# Altium PCB RFID final.PcbDoc (part 3 of 3)
Units mil, origin at the board's own origin, x right, y up, seen from the top; angles counter-clockwise.
Board outline 3215.77 x 4275.01 mil, 6 copper layers (Top Layer, RF_Ground, Power, Gnd, Routing, Bottom_Gnd), stack 29.392 mil thick; 305 components, 201 nets, 969 pads, 176 vias.
Unrouted connection lines stored in the file: 31.
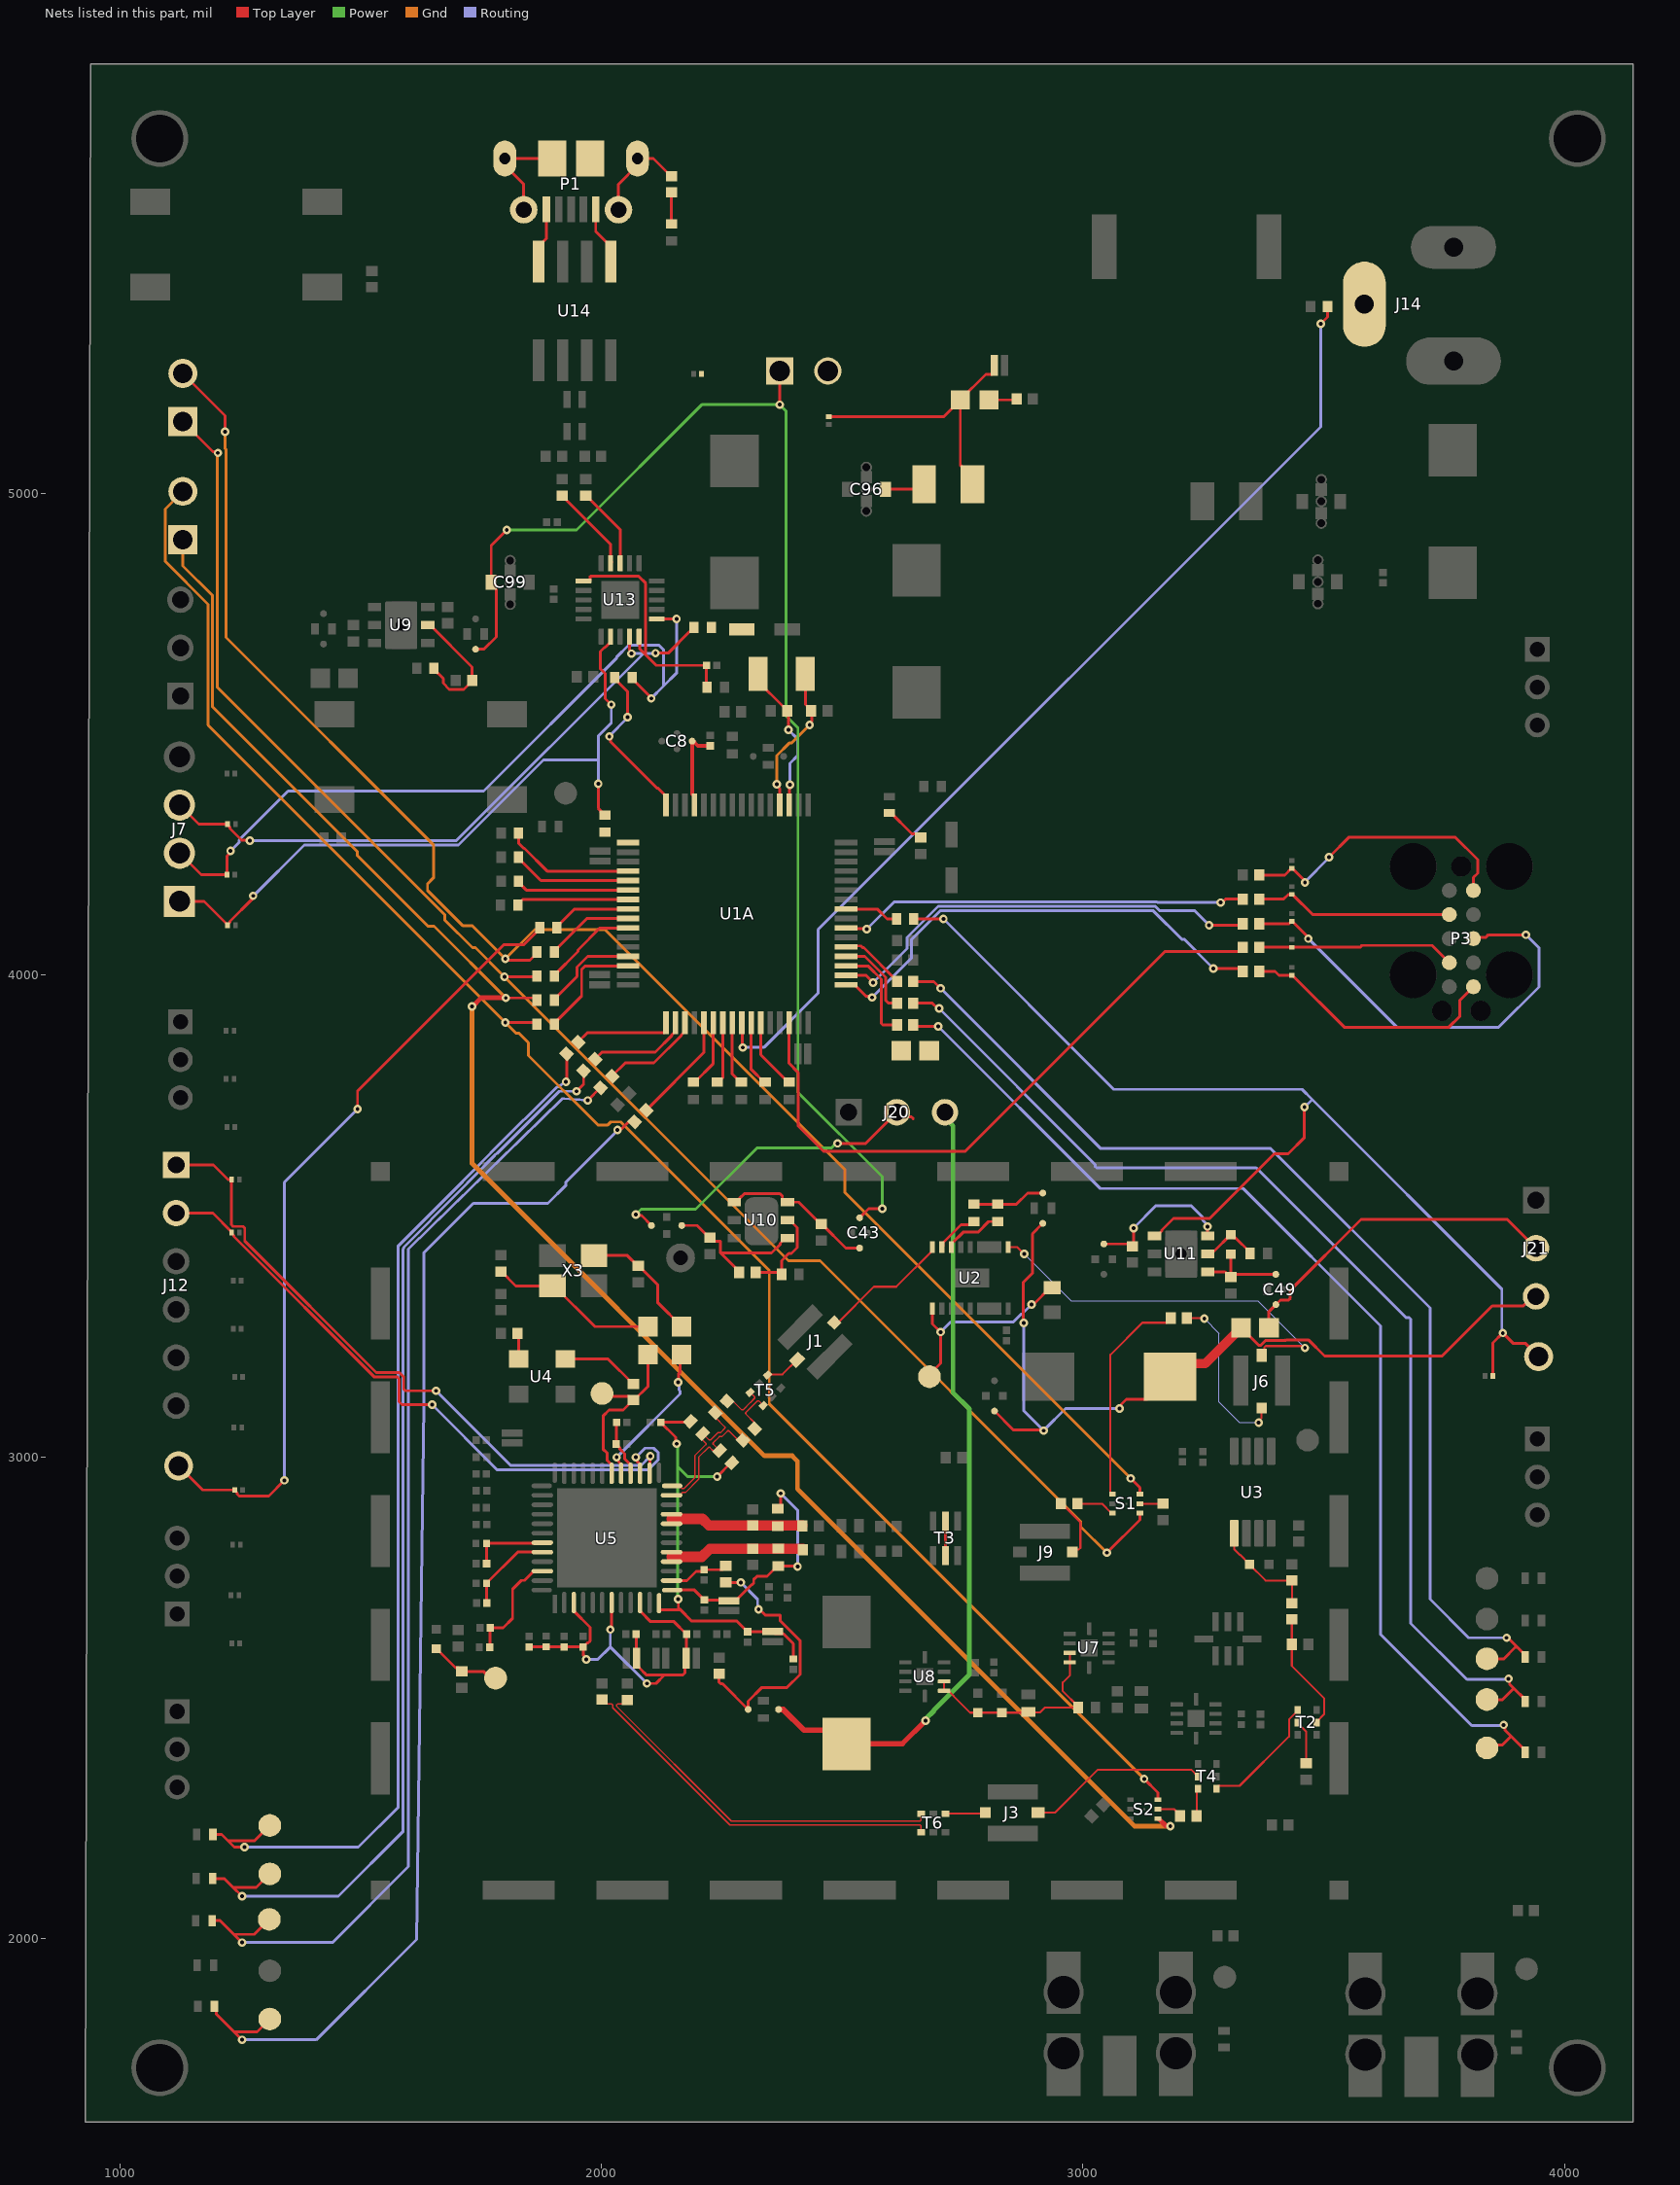
[diagram p7: the nets of this part, all layers, seen from the top]

## Via types
v1: diameter 17.72, hole 7.87, Top Layer to Bottom_Gnd, 176 vias

## Nets (pads, with @x,y where several pads share a name; then routed paths per layer and width w, separated by ;. In a path a pad name is that pad's centre, name@x,y a point inside that pad or via, vN(x,y) a via of type N, cw(c..) or ccw(c..) an arc to the next point about the centre after c; other vN are vias at no path point) (continued)
NetC42_2: C42.2 C43.3 U10.1 U10.6 | length 319.7
  Top Layer w5.91: U10.1@2275.88,3528.8 2280.8,3528.8 2286.71,3534.7 2286.71,3536.75 2296.63,3546.67 2370.29,3546.67 2375.46,3541.5 2375.46,3534.7 2381.37,3528.8 2409.39,3528.8 2454.84,3483.35 C42.2@2456.02,3483.35 2457.2,3483.35 2507.2,3433.35 C43.3@2536.02,3433.35
NetC44_2: C44.2 C45.1 R28.2 U10.4 | length 328.2
  Top Layer w5.91: C45.1@2166.5,3480.25 2198.58,3480.25 2223.82,3455.02 C44.2@2225,3455.02 2232.68,3447.34 2247.19,3447.34 2247.19,3422.98 ; R28.2@2285.99,3383 2285.99,3384.18 2247.19,3422.98 ; U10.4@2386.12,3453.99 2381.2,3453.99 2370.92,3443.71 2370.92,3440.88 2353.02,3422.98 2247.19,3422.98
NetC45_3: C45.3 J20.2 R2.1 | length 711.6
  Top Layer w5.91: v1(2071,3503) 2073.26,3500.74 2083.02,3500.74 C45.3@2103.5,3480.25 ; v1(2489.99,3650.81) 2548.45,3650.81 J20.2@2613.19,3715.55 2622.59,3706.15 2643.4,3706.15 2647.16,3702.39
  Power w5.91: v1(2071,3503) 2082,3514 2195.4,3514 2322.4,3641 2476.98,3641 2486.79,3650.81 v1(2489.99,3650.81)
NetC46_2: C46.2 C47.3 U11.6 | length 315.2
  Top Layer w5.91: C47.3@3043.31,3441.93 3097.72,3441.93 C46.2@3102.36,3437.28 3105,3439.92 v1(3105,3475) ; U11.6@3258.86,3458.66 v1(3258.86,3478.19)
  Routing w5.91: v1(3105,3475) 3151,3521 3225,3521 3248.72,3497.28 3248.72,3491.52 3258.86,3481.39 v1(3258.86,3478.19)
NetC48_2: C48.2 C49.1 R30.2 U11.4 | length 196
  Top Layer w5.91: U11.4@3258.86,3383.86 3295.35,3383.86 3305.91,3373.31 C48.2@3307.09,3373.31 ; R30.2@3307,3420.84 3307,3373.39 C48.2@3307.09,3373.31 ; C49.1@3400.59,3378.94 3312.72,3378.94 C48.2@3307.09,3373.31
NetC49_3: C49.3 J21.2 R3.1 | length 702.8
  Top Layer w5.91: R3.1@3386.22,3267.72 3386.22,3301.57 3409.89,3325.24 3426.89,3325.24 3430.67,3329.02 3430.67,3346.02 3577.65,3493 3881.11,3493 J21.2@3941.04,3433.07
NetC51_2: C51.2 U4.3 | length 163.1
  Top Layer w5.91: U4.3@1924.25,3202.76 2013.43,3202.76 2064.84,3151.34 C51.2@2066.02,3151.34
NetC55_2: C55.2 R33.1 TP2.TP? | length 148.3
  Top Layer w5.91: R33.1@1656.5,2601.42 1656.99,2601.42 1696.59,2561.81 1701.97,2561.81 C55.2@1709.65,2554.13 1754.56,2554.13 1768.34,2540.35 TP2.TP?@1779.53,2540.35
NetC91_1: C91.1 FB1.2 FB5.2 | length 541.4
  Top Layer w5.91: FB5.2@2244,2549 2244,2532.07 2247.46,2528.61 2251.15,2528.61 C91.1@2304.5,2475.25 2304.5,2492.25 2333.06,2520.81 2385.35,2520.81 2412.33,2547.78 2412.33,2618.06 2370.66,2659.72 2370.66,2671.34 2339.39,2671.34 2327.73,2683 v1(2326,2683) ; FB1.2@2258,2738.99 v1(2289,2739)
  Routing w5.91: v1(2289,2739) 2324.09,2703.91 2324.09,2684.91 v1(2326,2683)
NetC96_3: C96.3 FB7.1 | length 84.7
  Top Layer w5.91: C96.3@2589.37,5009.61 2659.41,5009.61 FB7.1@2669.8,5020
NetC97_1: C97.1 R86.2 | length 57.9
  Top Layer w5.91: C97.1@2804.88,5195 2856.13,5195 2858.13,5197 R86.2@2861.99,5197
NetC97_2: C97.2 C98.2 D21.2 FB7.2 P2.2 | length 582
  Top Layer w5.91: D21.2@2472,5160.26 2710.77,5160.26 C97.2@2745.12,5194.61 ; FB7.2@2770.2,5020 2770.2,5034.76 2745.12,5059.84 C97.2@2745.12,5194.61 ; C98.2@2816,5267 2816,5252.83 2811.47,5248.3 2798.02,5248.3 2745.12,5195.39 C97.2@2745.12,5195 C97.2@2745.12,5194.61
NetC100_1: C100.1 R89.2 | length 65
  Top Layer w5.91: R89.2@2145,5560.98 C100.1@2145,5625.98
NetC100_2: C100.2 P1.SH1 P1.SH2 P1.SH3 P1.SH4 P1.SH5 P1.SH6 | length 429.3
  Top Layer w5.91: P1.SH2@1838.15,5590 1838.15,5643.15 1798.78,5682.52 P1.SH6@1798.78,5696.3 P1.SH5@1897.2,5696.3 ; P1.SH1@2035,5590 2035,5643.15 2074.37,5682.52 P1.SH3@2074.37,5696.3 2107.52,5696.3 2143.82,5660 C100.2@2145,5660
NetC104_3: C104.3 R10.2 R20.2 | length 153
  Top Layer w5.91: R20.2@2773.15,3524.33 R10.2@2823.15,3524.33 2861.46,3524.33 2884.81,3547.68 C104.3@2916.5,3547.68
NetC107_1: C107.1 S1.6 | length 80.7
  Top Layer w4.23: C107.1@2988.46,2902.56 3039.37,2902.56 3059.05,2882.87 S1.6@3061.02,2882.87
NetC107_2: C107.2 J9.C | length 129.6
  Top Layer w4.23: C107.2@2954.45,2902.56 2954.45,2901.38 2962.97,2892.86 2965,2892.86 2994.48,2863.38 2994.48,2810.9 2991.19,2807.61 2983.65,2807.61 J9.C@2978.04,2802
NetC108_1: C108.1 J6.C | length 355.3
  Top Layer w4.23: C108.1@3216.02,3288 3251,3288 v1(3252,3287) ; v1(3365,3071) 3365,3074.65 3371.02,3080.67 J6.C@3371.02,3101.3
  Routing w1.85: v1(3252,3287) 3282.59,3256.41 3282.59,3113.6 3325.18,3071 v1(3365,3071)
NetC108_2: C108.2 S1.4 | length 451.6
  Top Layer w4.23: S1.4@3061.02,2922.24 3059.81,2922.24 3057,2925.05 3057,3212 3123.3,3278.3 3173.48,3278.3 3178.14,3282.96 3178.14,3288 C108.2@3182,3288
NetC109_2: C109.2 S1.2 | length 48.2
  Top Layer w4.23: S1.2@3118.11,2902.56 C109.2@3166.34,2902.56
NetC110_1: C110.1 R55.2 X3.3 | length 264.6
  Top Layer w5.91: X3.3@1984.33,3417.83 2053.35,3417.83 2074.84,3396.34 C110.1@2076.02,3396.34 2077.2,3396.34 2116.89,3356.65 2116.89,3319.8 2166.02,3270.67 R55.2@2166.02,3270.28
NetC111_1: C111.1 R54.2 X3.1 | length 352.2
  Top Layer w5.91: C111.1@1791.02,3384.33 1792.2,3384.33 1821.69,3354.84 X3.1@1897.72,3354.84 1901.65,3354.84 1986.22,3270.28 R54.2@2096.02,3270.28
NetC112_1: C112.1 S2.2 | length 52.9
  Top Layer w4.23: S2.2@3155.54,2268 3189.17,2268 3201.98,2255.18 C112.1@3201.98,2254
NetC112_2: C112.2 T4.6 | length 57.4
  Top Layer w4.23: C112.2@3236,2254 3236,2307.9 T4.6@3238.51,2310.41
NetD15_C: D15.C R81.2 | length 90.1
  Top Layer w5.91: D15.C@2597.64,4336.97 2597.64,4339.74 2598.79,4339.77 2644.9,4293.66 2654.96,4293.66 R81.2@2662.64,4285.98
NetD28_1: D28.1 P3.2 R19.1 | length 416.7
  Top Layer w5.91: R19.1@3365.87,4158.15 3416.71,4158.15 3425.98,4167.42 3433.13,4167.42 D28.1@3433.86,4168.15 3434.98,4168.15 3477.13,4126 P3.2@3761,4126
NetD29_1: D29.1 P3.4 R42.1 | length 411.7
  Top Layer w5.91: R42.1@3365.87,4058.15 D29.1@3433.86,4058.15 3575.54,4058.15 3579.44,4062.05 3724.95,4062.05 P3.4@3761,4026
NetD30_1: D30.1 P3.6 R46.1 | length 547.1
  Top Layer w5.91: R46.1@3365.87,4008.15 3399.07,4008.15 3407.2,4000.02 D30.1@3433.86,4000.02 3434.98,4000.02 3542.8,3892.2 3760.04,3892.2 3783.12,3915.28 3783.12,3948.12 P3.6@3811,3976
NetD31_1: D31.1 P3.8 R4.1 | length 925.8
  Top Layer w5.91: R4.1@3365.87,4106.97 3427.82,4106.97 3432.74,4111.89 D31.1@3433.86,4111.89 3434.98,4111.89 3468,4078.87 v1(3468,4076) ; 3826.29,4078.78 3836.78,4078.78 3842,4084 v1(3920,4084)
  Routing w5.91: v1(3468,4076) 3651.8,3892.2 3863.54,3892.2 3947.05,3975.71 3947.05,4056.95 v1(3920,4084)
NetD32_1: D32.1 P3.10 R5.2 | length 600.5
  Top Layer w5.91: R5.2@3365.87,4208.15 3419,4208.15 3432.74,4221.89 D32.1@3433.86,4221.89 3434.98,4221.89 3461,4195.87 v1(3461,4193) ; v1(3511,4245) 3553.05,4287.05 3772.75,4287.05 3819.8,4240 3819.8,4212 3811,4203.21 P3.10@3811,4176
  Routing w5.91: v1(3461,4193) 3461,4194 3511,4244 v1(3511,4245)
NetFB4_2: FB4.2 U4.4 | length 54.7
  Top Layer w5.91: FB4.2@1825.04,3256.34 1827.8,3253.58 U4.4@1827.8,3202.76
NetJ1_A: J1.A T5.1 | length 74.6
  Top Layer w4.23: T5.1@2344.65,3170.09 2345.77,3171.2 2375.89,3171.2 J1.A@2406.22,3201.54
NetJ1_C: J1.C U2.13 | length 272.6
  Top Layer w4.23: J1.C@2483.48,3278.79 2491.41,3278.79 2565.62,3353.01 2612.06,3353.01 2687.28,3428.23 U2.13@2687.28,3435.12
NetJ3_A: J3.A T4.5 | length 375.7
  Top Layer w4.23: J3.A@2906.5,2260.83 2941.83,2260.83 3031,2350 3224.51,2350 3232.55,2341.96 3234.13,2341.96 3238.51,2337.57 T4.5@3238.51,2336
NetJ3_C: J3.C T6.1 | length 83.5
  Top Layer w4.23: T6.1@2714.57,2258.86 2795.28,2258.86 J3.C@2797.24,2260.83
NetJ14_3: J14.3 R32.1 U1A.41 | length 2120.2
  Top Layer w5.91: U1A.41@2291.1,3901.38 2292.05,3900.43 2292.05,3850.95 v1(2293,3850) ; v1(3494,5353) 3508.04,5367.04 R32.1@3508.04,5389
  Routing w5.91: v1(2293,3850) 2337,3850 2450,3963 2450,4095.23 3494,5139.23 v1(3494,5353)
NetJ30_1: J30.1 R91.1 S1.1 | length 3371.7
  Top Layer w5.91: J30.1@1130,5150 1192.74,5087.26 1200.74,5087.26 v1(1203,5085) ; v1(1798,3997) 1864.64,3997 R91.1@1865.87,3998.23 ; v1(3049.67,2800.67) 3118.11,2869.11 S1.1@3118.11,2882.87
  Gnd w5.91: v1(1203,5085) 1201.19,5083.19 1201.19,4598.59 1673.81,4125.96 1673.81,4115.19 1731.78,4057.22 1737.78,4057.22 v1(1798,3997) 2388.1,3406.9 2453.91,3406.9 2995.32,2865.48 2995.32,2855.01 v1(3049.67,2800.67)
NetJ30_2: J30.2 R90.2 S1.3 | length 3453.5
  Top Layer w5.91: J30.2@1130,5250 1218,5162 v1(1218,5129) ; v1(1800,4034) 1803.2,4034 1806.18,4031.02 1850.82,4031.02 R90.2@1865.87,4046.06 ; v1(3099,2955) 3118.11,2935.89 S1.3@3118.11,2922.24
  Gnd w5.91: v1(1218,5129) 1218,5093.77 1219.81,5091.96 1219.81,4701.96 1650.63,4271.14 1650.63,4202.22 1638.38,4189.96 1638.38,4176.04 1711.19,4103.22 1730.78,4103.22 v1(1800,4034) 1860.81,4094.81 2006.96,4094.81 2505.19,3596.59 2505.19,3548.81 v1(3099,2955)
NetJ31_1: J31.1 R92.1 S2.1 | length 3794.7
  Top Layer w5.91: v1(1801,3953) 1861.09,3953 R92.1@1865.87,3948.23
  Top Layer w10: v1(1731,3935) 1731.69,3935 1749.69,3953 v1(1801,3953) ; S2.1@3155.54,2248.32 3157.35,2248.32 3171.69,2233.98 3179.97,2233.98 v1(3181.44,2232.5)
  Gnd w5.91: J31.1@1130,4905 1130,4850.44 1191.78,4788.66 1191.78,4557.22 1492.76,4256.24 1492.76,4248.25 1639.26,4101.75 1652.25,4101.75 v1(1801,3953)
  Gnd w10: v1(1731,3935) 1731,3609 2338.14,3001.86 2395.81,3001.86 2406.86,2990.81 2406.86,2933.14 3107.5,2232.5 v1(3181.44,2232.5)
NetJ31_2: J31.2 R93.1 S2.3 | length 3694.5
  Top Layer w5.91: v1(1800,3902) 1862.09,3902 R93.1@1865.87,3898.23 ; v1(3127,2331) 3155.54,2302.46 S2.3@3155.54,2287.68
  Gnd w5.91: J31.2@1130,5005 1093.43,4968.43 1093.43,4859.62 1182.38,4770.67 1182.38,4519.62 v1(1800,3902) 1822.2,3879.8 1828.2,3879.8 1848.15,3859.85 1848.15,3833.08 1992.04,3689.19 2012.88,3689.19 2019.12,3695.43 2039.96,3695.43 2348.27,3387.13 2348.27,3109.73 v1(3127,2331)
NetL12_2: L12.2 R26.2 R34.2 R35.2 U7.8 U7.9 U8.1 U8.2 | length 455.3
  Top Layer w4.23: U8.2@2711.61,2533.46 U8.1@2711.61,2513.78 2720.28,2513.78 2744,2490.05 2744,2489.89 2765.51,2468.39 R35.2@2781.69,2468.39 2831.54,2468.39 R26.2@2831.69,2468.54 2884.8,2468.54 L12.2@2886.69,2470.43 2888.13,2469 2911,2469 2921,2479 R34.2@2990.01,2479 2990.01,2481.17 2958,2513.17 2958,2531 2972.44,2545.44 U7.9@2972.44,2572.83 U7.8@2972.44,2592.52
NetP1_1: P1.1 U14.1 | length 121.6
  Top Layer w5.91: P1.1@1987.76,5590.98 1987.76,5544.92 2018.9,5513.78 U14.1@2018.9,5482.28
NetP1_5: P1.5 U14.4 | length 115.5
  Top Layer w5.91: U14.4@1868.9,5482.28 1868.9,5513.78 1885.39,5530.28 P1.5@1885.39,5590.98
NetR4_2: R4.2 U1A.50 | length 928.4
  Top Layer w5.91: U1A.50@2507.64,3999.8 2549.2,3999.8 v1(2564,3985) ; v1(3262,4104) 3328.99,4104 R4.2@3332.99,4108
  Routing w5.91: v1(2564,3985) 2634.65,4055.65 2634.65,4078.72 2699.14,4143.22 3150.08,4143.22 3159.49,4133.81 3232.19,4133.81 v1(3262,4104)
NetR7_2: R7.2 U1A.20 | length 272.4
  Top Layer w5.91: R7.2@1827.32,4295.28 1827.32,4274.61 1838.39,4263.54 1839.64,4263.54 1886.84,4216.34 U1A.20@2054.88,4216.34
NetR8_2: R8.2 U1A.21 | length 249
  Top Layer w5.91: R8.2@1827.32,4245.28 1827.32,4243.11 1873.78,4196.65 U1A.21@2054.88,4196.65
NetR9_2: R9.2 U1A.22 | length 236.4
  Top Layer w5.91: R9.2@1827.32,4195.28 1827.32,4193.11 1843.46,4176.97 U1A.22@2054.88,4176.97
NetR10_1: R10.1 U2.11 | length 122.6
  Top Layer w5.91: U2.11@2726.65,3435.12 2729.02,3437.48 2729.02,3444.44 2750.97,3466.39 2781.78,3466.39 2803.73,3488.35 R10.1@2823.15,3488.35
NetR11_2: R11.2 U1A.23 | length 234.9
  Top Layer w5.91: R11.2@1826.06,4145.67 1826.06,4147.83 1835.51,4157.28 U1A.23@2054.88,4157.28
NetR12_2: R12.2 U1A.42 | length 136.7
  Top Layer w5.91: U1A.42@2310.79,3901.38 2310.79,3804.45 2337.4,3777.83 R12.2@2339.57,3777.83
NetR13_2: R13.2 U1A.43 | length 149.4
  Top Layer w5.91: U1A.43@2330.47,3901.38 2330.47,3834.96 2387.6,3777.83 R13.2@2389.76,3777.83
NetR19_2: R19.2 U1A.55 | length 852.2
  Top Layer w5.91: U1A.55@2507.64,4098.23 2508.75,4097.11 2549.89,4097.11 v1(2551,4096) ; v1(3286,4151) 3289.2,4151 3296.35,4158.15 R19.2@3331.85,4158.15
  Routing w5.91: v1(2551,4096) 2607.62,4152.62 3153.98,4152.62 3155.6,4151 v1(3286,4151)
NetR20_1: R20.1 U2.12 | length 92.3
  Top Layer w5.91: U2.12@2706.97,3435.12 2709.33,3437.48 2709.33,3444.44 2746.54,3481.65 2766.46,3481.65 R20.1@2773.15,3488.35
NetR21_2: R21.2 TP3.TP? U2.1 | length 427.9
  Top Layer w5.91: TP3.TP?@2681.02,3166.34 2681.02,3170.84 2704,3193.82 v1(2704,3259) 2687.28,3275.72 U2.1@2687.28,3307.56 ; v1(2893,3316) 2895.26,3318.26 2899.01,3318.26 2932.09,3351.34 R21.2@2936.02,3351.34
  Routing w5.91: v1(2704,3259) 2725,3280 2855.23,3280 2871.3,3296.07 2873.07,3296.07 v1(2893,3316)
NetR22_2: R22.2 T2.2 | length 92.1
  Top Layer w4.23: T2.2@3446.02,2448.02 3446.02,2446.44 3463.58,2428.88 R22.2@3463.58,2363.19
NetR23_2: R23.2 R24.1 R25.2 U3.1 | length 227.1
  Top Layer w4.23: U3.1@3313.98,2840.94 3313.98,2808.39 3326.14,2796.23 3326.63,2796.23 3346.02,2776.83 R23.2@3346.02,2776.34 3346.02,2775.85 3379.04,2742.83 R25.2@3434.06,2742.83 R24.1@3434.06,2696.14
NetR24_2: R24.2 R45.2 T2.5 | length 249
  Top Layer w4.23: R24.2@3434.06,2662.13 3433.78,2661.85 R45.2@3433.78,2610.24 3433.78,2565.57 3501.34,2498.02 3501.34,2465.93 3485,2449.59 T2.5@3485,2448.02
NetR27_1: R27.1 R44.1 U9.5 | length 268.9
  Top Layer w5.91: U9.5@1638.78,4727.36 1643.7,4727.36 1730.87,4640.2 R44.1@1730.87,4612.2 1730.87,4611.02 1713.78,4593.94 1683.55,4593.94 1670.91,4606.58 1670.91,4616.3 1651.57,4635.63 R27.1@1651.57,4637.8
NetR28_1: R28.1 R29.1 U10.5 | length 195.8
  Top Layer w5.91: R28.1@2320.01,3383 2370,3383 R29.1@2374,3379 2374,3407.31 2388.79,3422.1 2394.1,3422.1 2406.37,3434.37 2406.37,3476.06 2391.04,3491.39 U10.5@2386.12,3491.39
NetR30_1: R30.1 R31.1 U11.5 | length 122.3
  Top Layer w5.91: U11.5@3258.86,3421.26 3264.76,3427.17 3272.52,3427.17 3306.51,3461.16 R30.1@3307,3461.16 3313.4,3454.76 3316.89,3454.76 3347.24,3424.41 R31.1@3347.24,3422.24
NetR38_1: R38.1 U1A.38 | length 141.8
  Top Layer w5.91: R38.1@2190.94,3777.83 2193.11,3777.83 2232.05,3816.77 U1A.38@2232.05,3901.38
NetR39_1: R39.1 U1A.39 | length 129.6
  Top Layer w5.91: R39.1@2240.16,3777.83 2242.32,3777.83 2251.73,3787.24 U1A.39@2251.73,3901.38
NetR40_1: R40.1 U1A.40 | length 132.7
  Top Layer w5.91: U1A.40@2271.42,3901.38 2271.42,3794.61 2288.19,3777.83 R40.1@2290.35,3777.83
NetR41_2: R41.2 U13.9 | length 186
  Top Layer w5.91: R41.2@1918,4995.98 1919.18,4995.98 1926.86,4988.31 1926.86,4987.13 2018.7,4895.28 U13.9@2018.7,4855.91 ; U13.9@2018.7,4855.71 U13.9@2018.7,4855.91 ; U13.9@2021.06,4858.27 U13.9@2018.7,4855.91
NetR42_2: R42.2 U1A.46 | length 1343.6
  Top Layer w5.91: U1A.46@2389.53,3901.38 2389.53,3816.82 2408.03,3798.32 2408.03,3687.97 2462,3634 2755,3634 3170.29,4049.29 3324.17,4049.29 3331.85,4056.97 R42.2@3331.85,4058.15
NetR43_2: R43.2 U1A.57 | length 113.5
  Top Layer w5.91: U1A.57@2507.64,4137.6 2572.6,4137.6 2593.23,4116.97 R43.2@2612.64,4116.97
NetR46_2: R46.2 U1A.49 | length 984.3
  Top Layer w5.91: U1A.49@2507.64,3980.12 2525.35,3980.12 2549.21,3956.26 2559.74,3956.26 v1(2562,3954) ; v1(3271,4013.92) 3326.08,4013.92 R46.2@3331.85,4008.15
  Routing w5.91: v1(2562,3954) 2644.05,4036.05 2644.05,4074.83 2703.04,4133.81 3146.19,4133.81 3205,4075 3209.93,4075 v1(3271,4013.92)
NetR47_2: R47.2 U13.8 | length 170.5
  Top Layer w5.91: R47.2@1967,4995.99 1968.18,4995.99 2038.39,4925.79 U13.8@2038.39,4855.71
NetR56_2: R56.2 U1A.16 | length 340.8
  Top Layer w5.91: v1(2016,4496) 2018.26,4493.74 2018.26,4484.97 2114.81,4388.42 2117.05,4388.42 2133.62,4371.85 U1A.16@2133.62,4354.13 ; R56.2@2027.28,4618.11 2027.28,4615.94 2054,4589.23 v1(2054,4536)
  Routing w5.91: v1(2016,4496) 2016,4497 2054,4535 v1(2054,4536)
NetR57_2: R57.2 U1A.17
NetR58_1: R58.1 U1A.24 | length 165.1
  Top Layer w5.91: R58.1@1907.17,4098.7 1907.17,4100.87 1943.9,4137.6 U1A.24@2054.88,4137.6
NetR90_1: R90.1 U1A.25 | length 183.2
  Top Layer w5.91: R90.1@1901.85,4048.23 1901.85,4050.39 1969.37,4117.91 U1A.25@2054.88,4117.91
NetR91_2: R91.2 U1A.26 | length 197.6
  Top Layer w5.91: R91.2@1901.85,3998.23 1901.85,4000.39 1950.79,4049.33 1950.79,4052.56 1996.45,4098.23 U1A.26@2054.88,4098.23
NetR92_2: R92.2 U1A.29 | length 203.4
  Top Layer w5.91: R92.2@1901.85,3948.23 1901.85,3950.39 1949,3997.54 1949,4017 1971.17,4039.17 U1A.29@2054.88,4039.17
NetR93_2: R93.2 U1A.30 | length 236.8
  Top Layer w5.91: R93.2@1901.85,3898.23 1901.85,3900.39 1958.41,3956.95 1958.41,4012.11 1965.79,4019.49 U1A.30@2054.88,4019.49
NetT2_1: T2.1 T4.1 | length 258.9
  Top Layer w4.23: T4.1@3277.49,2310.41 3277.49,2311.49 3278,2312 3278,2312.5 3281.87,2316.37 3325.37,2316.37 3428,2419 3428,2454.4 3446.02,2472.43 T2.1@3446.02,2474
NetT3_2: T3.2 T3.5 | length 70.9
  Top Layer w5.91: T3.5@2714,2795.13 T3.2@2714,2866
NO_RESP: "NO TAG RESP.TP?" D12.C R65.2 | length 2398.5
  Top Layer w5.91: D12.C@1190.94,2036.42 1207.58,2036.42 1236,2008 ; v1(1253,1991) 1236,2008 ; 1309.65,2039.09 1278.55,2008 1236,2008 ; v1(1971,3740) 1997.51,3766.51 R65.2@1997.81,3766.51
  Routing w5.91: v1(1253,1991) 1441,1991 1598.7,2148.7 1598.7,3431.42 1600.43,3433.15 cw(c1604.6,3428.98) 1600.48,3433.21 1918.85,3743.82 1921.48,3743.82 v1(1971,3740)
NO_RESP_LED: R65.1 U1A.35 | length 208.1
  Top Layer w5.91: R65.1@2021.86,3790.56 2049.21,3817.91 2108.5,3817.91 2165.86,3875.28 2165.86,3876.53 2172.99,3883.66 U1A.35@2172.99,3901.38
OAD: D34.1 J12.2 U5.27 | length 1370.4
  Top Layer w5.91: J12.2@1116.14,3505.94 1192.26,3505.94 1231.14,3467.07 D34.1@1231.14,3465.94 ; D34.1@1231.14,3464.82 1236.17,3459.8 1236.17,3457.37 1528.08,3165.45 1575.67,3165.45 1579.45,3161.67 1579.45,3114.08 1585.53,3108 v1(1648,3108) ; v1(2071.2,2998.74) 2073.46,2996.48 2073.46,2990.7 2080,2984.16 2080,2966 2079.92,2965.92 U5.27@2079.92,2965.6
  Routing w5.91: v1(1648,3108) 1783.47,2972.53 2096.3,2972.53 2117.81,2994.04 2117.81,3007.96 2107.96,3017.81 2090.27,3017.81 v1(2071.2,2998.74)
OAD2: D33.1 J12.1 U5.26 | length 1372.5
  Top Layer w5.91: J12.1@1116.14,3605.94 1193.52,3605.94 1223.52,3575.94 D33.1@1231.14,3575.94 1231.14,3481.76 1234.6,3478.3 1239.94,3478.3 1254.86,3478.3 1258.64,3474.52 1258.64,3448.2 1531.97,3174.86 1579.57,3174.86 1588.86,3165.57 1588.86,3140.46 1592.32,3137 v1(1656,3137) ; U5.26@2099.61,2965.6 2100.28,2966.27 2100.28,3000.28 v1(2101,3001)
  Routing w5.91: v1(1656,3137) 1811.07,2981.93 2081.93,2981.93 v1(2101,3001)
OSC: "OSC OK.TP?" D8.C R53.2 | length 2313.9
  Top Layer w5.91: D8.C@1189.16,2124.02 D8.C@1191.93,2124.02 1215.98,2124.02 1234.49,2105.51 ; v1(1253,2087) 1234.49,2105.51 ; 1310.65,2133.58 1282.58,2105.51 1234.49,2105.51 ; v1(1948,3759) 1962.45,3773.45 1962.45,3789.34 1963.29,3790.17 1963.29,3801.03 R53.2@1962.45,3801.86
  Routing w5.91: v1(1253,2087) 1453,2087 1587,2221 1587,3429.14 1589.29,3435.32 1701.26,3548.26 1776.68,3624.89 cw(c1800.2,3601.8) 1782.76,3629.76 1912,3759 v1(1948,3759)
OSC32_IN: C9.2 U1A.3 X1.1 | length 314.8
  Top Layer w5.91: X1.1@2324.8,4625.98 2324.8,4610.24 2376.97,4558.07 2377.72,4558.07 2385.39,4550.39 C9.2@2385.39,4549.21 2388,4546.61 v1(2388,4510) ; U1A.3@2389.53,4354.13 2389.53,4356.47 2388,4358 2390.26,4360.26 2390.26,4395.26 v1(2391,4396)
  Routing w5.91: v1(2388,4510) 2407,4491 2407,4456 2391,4440 v1(2391,4396)
OSC32_OUT: C10.2 U1A.4 X1.2 | length 312.9
  Top Layer w5.91: v1(2364,4397) 2364,4393.8 2369.84,4387.96 U1A.4@2369.84,4354.13 ; X1.2@2423.23,4625.98 2423.23,4562.2 2435.04,4550.39 C10.2@2435.04,4549.21 2437,4547.25 2437,4528 2432,4523 v1(2432,4520)
  Gnd w5.91: v1(2364,4397) 2364,4456.52 2389.76,4482.28 2394.28,4482.28 v1(2432,4520)
OSC_LED: R53.1 U1A.34 | length 209.2
  Top Layer w5.91: R53.1@1986.5,3825.92 2000.92,3840.34 2111.24,3840.34 2146.18,3875.28 2146.18,3876.53 2153.31,3883.66 U1A.34@2153.31,3901.38
OSCI: R55.1 U5.29 | length 310.2
  Top Layer w5.91: v1(2031.15,2998.74) 2033.41,2996.48 2033.41,2991.37 2040.55,2984.24 U5.29@2040.55,2965.6 ; v1(2158.67,3154.67) 2160.05,3156.05 2160.05,3172.38 2163,3175.33 2163,3209.38 R55.1@2166.02,3212.4
  Routing w5.91: v1(2031.15,2998.74) 2163,3130.59 2163,3136.5 2160.93,3138.57 2160.93,3152.41 v1(2158.67,3154.67)
OSCO: C51.1 R54.1 TP1.TP? U5.30 | length 380.8
  Top Layer w5.91: TP1.TP?@2001.02,3131.34 2007.36,3125 2057.17,3125 C51.1@2064.84,3117.32 ; U5.30@2020.87,2965.6 2019.72,2966.75 2019.72,2984.43 2011.81,2992.34 2011.81,3006.96 2003,3015.77 2003,3084.54 2015.55,3097.09 2044.61,3097.09 C51.1@2064.84,3117.32 ; R54.1@2096.02,3212.4 2096.02,3146.14 2067.2,3117.32 C51.1@2066.02,3117.32 C51.1@2064.84,3117.32
"PA OUT": J6.A U2.7 | length 808.6
  Top Layer w4.23: U2.7@2844.76,3435.12 2863.88,3435.12 v1(2878,3421) ; J6.A@3371.02,3210.55 3376.63,3216.16 3376.63,3226.66 3379.92,3229.94 3453.41,3229.94 3457.35,3226 v1(3461,3226)
  Routing w1.85: v1(2878,3421) 2975.5,3323.5 3363.5,3323.5 v1(3461,3226)
PA_LDO_EN: D52.1 J4.01 R43.1 U11.1 | length 2307.6
  Top Layer w5.91: R43.1@2648.62,4116.97 v1(2710,4117) ; U11.1@3149,3459.04 U11.1@3148.62,3458.66 3153.54,3458.66 3163.82,3468.94 3163.82,3470.99 3187.84,3495 3263.13,3495 3397.58,3629.45 3426.45,3629.45 3460,3663 v1(3460,3726) ; D52.1@3851.42,3168.07 3851.42,3236.42 v1(3872,3257) 3893.2,3235.8 3918.68,3235.8 J4.01@3946.42,3208.07
  Routing w5.91: v1(2710,4117) 3064,3763 3455,3763 3475.5,3742.5 ; v1(3460,3726) 3475.5,3741.5 3475.5,3742.5 ; v1(3872,3257) 3870,3259 3870,3348 3475.5,3742.5
"PAOUT N": C1.1 C4.1 L1.1 U5.16 U5.17 | length 311.8
  Top Layer w5.91: U5.16@2145.28,2782.13 2145.28,2791.97 U5.17@2145.28,2801.81 ; L1.1@2357.55,2816.2 2364.64,2809.11 L1.1@2367,2809.11
  Top Layer w21.65: 2145.28,2791.97 2207.97,2791.97 2225.01,2809.01 C1.1@2314,2809.01 C4.1@2417.99,2809.01
"PAOUT P": C3.1 C5.1 L2.2 U5.20 U5.21 | length 297.1
  Top Layer w5.91: U5.20@2145.28,2860.87 2145.28,2870.71 U5.21@2145.28,2880.55
  Top Layer w21.65: 2145.28,2870.71 2209.29,2870.71 2223.01,2856.99 C3.1@2314,2856.99 C5.1@2416.99,2856.99
PLL: "PLL OK.TP?" D7.C R52.2 | length 2247.5
  Top Layer w5.91: D7.C@1192.7,2215.55 1210.58,2215.55 1223.86,2202.28 ; v1(1258,2189) 1237.14,2189 1223.86,2202.28 ; 1310.65,2234.09 1278.83,2202.28 1223.86,2202.28 ; v1(1926,3779) 1927.93,3780.93 1927.93,3830.93 1924.37,3834.49 R52.2@1927.09,3837.22
  Routing w5.91: v1(1258,2189) 1494.59,2189 1577.59,2272 1577.59,3435.45 1577.59,3437.9 1691.85,3552.15 1770.02,3631.52 cw(c1800.2,3601.8) 1770.39,3631.9 1908.1,3768.41 1912.21,3768.41 1922.8,3779 v1(1926,3779)
PLL_LED: R52.1 U1A.33 | length 209.5
  Top Layer w5.91: R52.1@1951.15,3861.27 1970.58,3880.71 2130.67,3880.71 2133.62,3883.66 U1A.33@2133.62,3901.38
Reset: D9.C R36.2
RF: "RF ON.TP?" D3.C R17.2 | length 2340.6
  Top Layer w5.91: R17.2@2647.64,3896.97 2650.61,3894 v1(2699,3894) ; 3839.17,2395.2 3845.63,2401.65 3871.65,2401.65 3889.33,2419.33 ; v1(3874,2443) 3876.26,2440.74 3876.26,2432.39 3889.33,2419.33 ; D3.C@3918.36,2386.34 3918.36,2390.29 3889.33,2419.33
  Routing w5.91: v1(2699,3894) 3036,3557 3333,3557 3618,3272 3618,2631 3807.55,2441.45 3872.45,2441.45 v1(3874,2443)
RF_LED: R17.1 U1A.51 | length 210.4
  Top Layer w5.91: U1A.51@2507.64,4019.49 2553.29,4019.49 2580.81,3991.96 2580.81,3900.43 2584.27,3896.97 R17.1@2613.62,3896.97
RFO_N: C54.2 L4.1 U5.23 | length 273.9
  Top Layer w3.05: U5.23@2145.28,2919.92 2162.39,2919.92 2167.94,2925.47 2174,2925.47 2201.57,2953.05 2201.57,2998.87 2222.18,3019.49 2224.71,3019.49 2232.27,3011.92 2244.31,3011.92 L4.1@2245.19,3012.81 2231.61,3026.39 2231.61,3028.92 2244.48,3041.78 2249.86,3041.78 2261.74,3053.67 2264.27,3053.67 2283.63,3034.31 C54.2@2294,3034.31
RFO_P: C65.1 L3.2 U5.24 | length 266.2
  Top Layer w3.05: U5.24@2146.55,2939.61 2161.42,2939.61 2167.5,2933.53 2170.66,2933.53 2193.52,2956.38 2193.52,3002.21 2216.49,3025.18 2216.49,3027.71 2208.92,3035.27 2208.92,3047.31 L3.2@2209.81,3048.19 2223.39,3034.61 2225.92,3034.61 2241.14,3049.83 2246.52,3049.83 2256.05,3059.36 2256.05,3061.89 2236.02,3081.92 C65.1@2236.02,3091.34
RTS: D49.1 J7.03 R36.1 U13.19 | length 1339.5
  Top Layer w5.91: J7.03@1123.03,4353.66 1163.03,4313.66 D49.1@1223.03,4313.66 1223.03,4312.54 1228.06,4307.52 1228.06,4305.08 1252.28,4280.85 1268.33,4280.85 v1(1269.52,4279.66) ; v1@2058.07,4675.13 U13.19@2058.07,4703.35 ; v1(2112,4669) 2138.21,4669 2182.8,4713.58 2184.96,4713.58 2191.65,4720.28 R36.1@2191.65,4722.44
  Routing w5.91: v1(1269.52,4279.66) 1269.86,4280 1698.5,4280 2087,4668.5 ; v1(2062,4668) 2062.5,4668.5 2087,4668.5 ; v1(2112,4669) 2111.5,4668.5 2087,4668.5
RX: D48.1 J7.02 R56.1 U13.1 | length 1617.6
  Top Layer w5.91: J7.02@1123.03,4253.66 1168.03,4208.66 D48.1@1221.77,4208.66 1221.77,4247.66 1229.21,4255.1 v1(1229.21,4258.3) ; R56.1@2063.27,4618.11 2063.27,4615.94 2103,4576.21 v1(2103,4575) ; U13.1@2114.57,4740.16 v1(2155.51,4740.16)
  Routing w5.91: v1(1229.21,4258.3) 1247.02,4276.1 1247.02,4280.93 1348.68,4382.59 1755.11,4382.59 2031.22,4658.71 2031.22,4661 2056.04,4685.81 2118.96,4685.81 2128.81,4675.96 2128.81,4600.81 ; v1(2103,4575) 2128.81,4600.81 ; v1(2155.51,4740.16) 2155.51,4627.51 2128.81,4600.81
RX_N: C94.1 T6.3 | length 774.7
  Top Layer w3.05: C94.1@2053.15,2494.8 2044.75,2486.41 2032.73,2486.41 2030.95,2484.62 2030.95,2482.09 2269.64,2243.4 2661.6,2243.4 2663.39,2245.18 T6.3@2663.39,2258.86
RX_P: C93.1 T6.4 | length 788
  Top Layer w3.05: C93.1@2000.98,2495.51 2010.09,2486.41 2021.11,2486.41 2022.89,2484.62 2022.89,2478.76 2266.31,2235.34 2661.6,2235.34 2663.39,2233.56 T6.4@2663.39,2219.88
TAG: "TAG Found.TP?" D6.C R51.2 | length 2608.9
  Top Layer w5.91: D6.C@1195.27,1858.27 1199.69,1853.84 1199.69,1842.31 1236.5,1805.5 ; v1(1253,1789) 1236.5,1805.5 ; 1310.65,1832.02 1284.12,1805.5 1236.5,1805.5 ; v1(2033,3678.62) 2035.26,3680.88 2041.07,3680.88 2056.82,3696.63 2067.68,3696.63 R51.2@2068.52,3695.8
  Routing w5.91: v1(1253,1789) 1407,1789 1613.49,1995.49 1615.22,1997.22 1617.51,2140.9 1631.09,3108 1631.19,3108.1 1631.19,3424.19 1733.48,3526.48 1888.48,3526.48 1926,3564 1926,3570.54 2033,3677.54 v1(2033,3678.62)
TAG_LED: R51.1 U1A.37 | length 231.1
  Top Layer w5.91: R51.1@2092.57,3719.85 2212.36,3839.64 U1A.37@2212.36,3901.38
TUNED: D11.C R64.2 TUNED.TP? | length 2317.9
  Top Layer w5.91: R64.2@2647.64,3941.97 2686.91,3941.97 2697.88,3931 v1(2701,3931) ; TUNED.TP?@3839.17,2495.59 3839.24,2495.65 3871.65,2495.65 3894.98,2518.98 ; v1(3884,2539) 3886.26,2536.74 3886.26,2527.71 3894.98,2518.98 ; D11.C@3918.36,2491.65 3918.36,2495.61 3894.98,2518.98
  Routing w5.91: v1(2701,3931) 3025,3607 3025,3603.46 3028.46,3600 3360,3600 3361.99,3598.01 3671,3289 3677.54,3289 3681,3285.54 3681,2654 3797.55,2537.45 3882.45,2537.45 v1(3884,2539)
TUNED_LED: R64.1 U1A.52 | length 174.4
  Top Layer w5.91: U1A.52@2507.64,4039.17 2546.9,4039.17 2590.22,3995.86 2590.22,3947.78 2596.03,3941.97 R64.1@2613.62,3941.97
TUNING: D5.C R50.2 TUNING.TP? | length 2281.6
  Top Layer w5.91: R50.2@2647.64,3986.97 2690.03,3986.97 v1(2704,3973) ; TUNING.TP?@3839.17,2580.24 3874.04,2580.24 3897.98,2604.17 3902.31,2604.17 ; v1(3880,2624) 3882.49,2624 3902.31,2604.17 ; D5.C@3918.36,2584.17 3918.36,2588.13 3902.31,2604.17
  Routing w5.91: v1(2704,3973) 3037,3640 3390,3640 3721,3309 3721,2704 3801,2624 v1(3880,2624)
TUNING_LED: R50.1 U1A.53 | length 138.3
  Top Layer w5.91: U1A.53@2507.64,4058.86 2516.5,4058.86 2518.64,4061 2538.54,4061 2542,4057.54 2542,4057.38 2544.39,4057.38 2613.62,3988.15 R50.1@2613.62,3986.97
TX: D47.1 J7.01 R57.1 U13.17 | length 1444.9
  Top Layer w5.91: J7.01@1123.03,4153.66 1174.15,4153.66 1223.03,4104.78 1228.06,4109.81 1228.06,4112.24 1273.74,4157.92 1273.74,4162.74 v1(1276,4165) v1@1275,4165 ; v1(1993,4398) 1993,4346.84 1998.03,4341.81 1998.03,4339.65 2004.72,4332.95 R57.1@2006.89,4332.95 ; U13.17@2018.7,4703.35 2018.7,4692.13 2009.06,4682.49 2008.35,4682.49 2006.23,4680.36 2005.32,4680.36 1997.6,4672.64 1997.6,4636.6 2007.67,4626.53 2007.67,4574.73 2020,4562.4 v1(2020,4562)
  Routing w5.91: v1(1276,4165) 1276.75,4165 1382.35,4270.59 1702.4,4270.59 1879.19,4447.39 1993,4447.39 ; v1(1993,4398) 1993,4447.39 ; v1(2020,4562) 2020,4523.77 1993,4496.77 1993,4447.39
TX_N: C54.1 T5.4 | length 91.9
  Top Layer w3.05: C54.1@2318.05,3058.36 2318.05,3070.29 2299.28,3089.07 2299.28,3091.59 2311.97,3104.29 2312.11,3104.29 2323.83,3116.01 2326.35,3116.01 T5.4@2336.02,3106.34
TX_P: C65.2 T5.3 | length 91.9
  Top Layer w3.05: C65.2@2260.08,3115.39 2272.95,3115.39 2291.05,3097.29 2293.58,3097.29 2308.64,3112.34 2308.77,3112.34 2318.13,3121.7 2318.13,3124.23 T5.3@2308.46,3133.9
UART_LOG_TX: D45.1 J11.01 R58.2 | length 1652.8
  Top Layer w5.91: J11.01@1121.14,2980.94 1171.14,2930.94 D45.1@1238.01,2930.94 1238.01,2929.82 1243.04,2924.8 1243.04,2922.37 1246.82,2918.59 1308.59,2918.59 v1(1341,2951) ; v1(1493,3722) 1493,3759.77 1797.13,4063.9 1838.55,4063.9 1871.18,4096.54 R58.2@1871.18,4098.7
  Routing w5.91: v1(1341,2951) 1341,3570 v1(1493,3722)
UReset: C33.2 R6.1 U13.11 U13.20 | length 519.4
  Top Layer w5.91: U13.11@1962.2,4818.9 1973.43,4818.9 1975.79,4821.26 1975.79,4827.79 1977,4829 2076.78,4829 2091.58,4814.2 2091.58,4665.65 ; U13.20@2077.76,4703.35 2079.27,4701.83 2079.27,4677.95 2091.58,4665.65 ; R6.1@2218.94,4598.43 2216.06,4598.43 2217.64,4600 C33.2@2217.64,4643.7 2113.52,4643.7 2091.58,4665.65
VBPD: C34.2 C52.2 U5.28 | length 118.3
  Top Layer w5.91: C52.2@2031.02,3071.34 2030.49,3070.81 2030.49,3026.87 2031.02,3026.34 2031.02,3024.88 2038.15,3017.75 2038.15,3015.79 2047.96,3005.98 2047.96,2995.56 2059.09,2984.43 2059.09,2966.75 U5.28@2060.24,2965.6
VBUS: C39.1 C43.1 C99.1 D20.2 P2.1 | length 2850.9
  Top Layer w5.91: C39.1@1738.19,4677.17 1755.19,4677.17 1781,4702.98 1781,4801.68 1770.67,4812.01 1770.67,4892.67 v1(1803,4925) ; v1(2370,5185.08) P2.1@2370,5255 ; C43.1@2536.02,3496.34 2554.69,3515 v1(2583,3515)
  Power w5.91: v1(1803,4925) 1948,4925 2208.08,5185.08 v1(2370,5185.08) 2383.19,5171.89 2383.19,4538.59 2407.81,4513.96 2407.81,3756.76 2583,3581.58 v1(2583,3515)
VDD_A: C73.2 C74.2 U5.44 | length 184
  Top Layer w5.91: C73.2@1761.71,2696 1761.39,2696.32 1761.39,2737.07 1761.06,2737.39 1825.48,2801.81 U5.44@1876.76,2801.81
VDD_B: C57.1 C58.2 C77.2 C78.2 L3.1 L4.2 U5.12 | length 953.6
  Top Layer w5.91: U5.12@2119.29,2695.81 2119.29,2683.97 2120.91,2682.34 2163.43,2682.34 ; v1(2156,3027) 2153.74,3029.26 2153.74,3040.35 2123.15,3070.94 C58.2@2123.15,3071.34 2123.95,3072.14 2182.52,3072.14 L3.1@2184.19,3073.81 ; v1(2159,2704) 2159.49,2703.51 2159.49,2686.28 2163.43,2682.34 ; v1(2240,2959) 2268.19,2987.19 L4.2@2270.81,2987.19 ; C57.1@2398,2580.06 2398,2611.68 2377.39,2632.28 2359.84,2632.28 C77.2@2355.31,2636.81 C77.2@2355.31,2636.81 2303.21,2636.75 C78.2@2303.15,2636.69 2302.95,2636.69 2281.24,2658.41 2187.37,2658.41 2163.43,2682.34
  Power w5.91: v1(2156,3027) 2157.5,3025.5 2157.5,2980 ; v1(2159,2704) 2157.5,2705.5 2157.5,2980 ; v1(2240,2959) 2178.5,2959 2157.5,2980
VDD_MX: C79.1 C80.1 C81.1 C82.1 C83.1 C84.1 C85.2 C86.2 U5.3 U5.7 U5.10 | length 950.8
  Top Layer w5.91: C79.1@1849.41,2605.08 1849.53,2605.2 1884.72,2605.2 C80.1@1884.84,2605.31 1884.96,2605.2 1922.13,2605.2 C81.1@1922.24,2605.08 C82.1@1961.61,2605.08 1961.61,2588.58 1968,2582.2 v1(1968,2579) ; U5.3@1942.13,2697.08 1942.13,2679.39 1975.94,2645.58 1975.94,2617.05 1972.16,2613.27 1970.2,2613.27 C82.1@1962.01,2605.08 ; v1(2018,2641) 2020.19,2643.19 2020.19,2696.41 U5.7@2020.87,2697.08 ; C84.1@2071.73,2631.54 C84.1@2071.73,2631.34 2072.05,2631.02 2072.05,2582.01 C83.1@2072.36,2581.69 2072.36,2567.52 2085.24,2554.64 2085.24,2554.52 2089.58,2550.18 2092.76,2547 2130.88,2547 ; U5.10@2079.92,2697.08 2079.92,2679.39 2101.82,2657.49 2150.35,2657.49 2176.3,2631.54 C85.2@2176.3,2631.34 2175.98,2631.02 2175.98,2582.01 C86.2@2175.67,2581.69 2173.18,2579.2 2173.18,2551.18 2169,2547 2130.88,2547 ; v1(2094,2529) 2112.88,2529 2130.88,2547
  Routing w5.91: v1(1968,2579) 1992,2579 2018,2605 ; v1(2018,2641) 2018,2605 ; v1(2094,2529) 2018,2605
VDD_PA: C66.2 C67.2 L1.2 L2.1 U5.13 | length 505
  Top Layer w5.91: U5.13@2146.55,2723.07 2192.74,2723.07 2213.11,2702.7 C66.2@2213.31,2702.7 2214.13,2701.88 2263.48,2701.88 C67.2@2264.31,2701.06 2278.48,2701.06 2311.43,2734 2312.54,2734 2316,2737.46 2316,2745 2323,2752 2343.75,2752 2364.64,2772.89 L1.2@2367,2772.89 2406.11,2772.89 v1(2407,2772) ; L2.1@2366,2892.11 2372,2898.11 v1(2372,2924)
  Routing w5.91: v1(2372,2924) 2407,2889 v1(2407,2772)
VDDA: C8.3 C26.2 U1A.13 | length 175.4
  Top Layer w5.91: C8.3@2187.99,4486.22 C8.3@2190.23,4486.22
  Top Layer w7.87: C8.3@2187.99,4486.22 2187.99,4376.54 2192.68,4371.85 U1A.13@2192.68,4354.13 ; C8.3@2190.23,4486.22 2199.84,4476.61 C26.2@2225.39,4476.61
VDDLF: C75.2 C76.2 U5.46 | length 233
  Top Layer w5.91: C76.2@1767.95,2604.33 1768.27,2604.65 1768.27,2644.37 C75.2@1768.58,2644.68 1795.23,2644.68 1815,2664.46 1815,2725 1833.14,2743.14 1839.77,2743.14 1859.08,2762.44 U5.46@1876.76,2762.44
VEXT_PA: C90.2 FB1.1 U5.14 | length 125.2
  Top Layer w5.91: U5.14@2145.28,2742.76 2177.37,2742.76 2196.27,2761.66 2209.24,2761.66 C90.2@2213,2765.42 2250.41,2765.42 FB1.1@2258,2773.01
VOSC: C71.2 C72.2 U5.43 | length 158.4
  Top Layer w5.91: C71.2@1761,2778 C72.2@1761,2820 1761.82,2820.82 1876.09,2820.82 U5.43@1876.76,2821.5
VPA: C16.1 C20.1 C104.1 J21.3 R3.2 | length 1847
  Top Layer w5.91: C16.1@2816.02,3094.84 2854.87,3056 2916.5,3056 v1(2918.25,3054.25) ; v1(2877,3278) 2876.19,3278.81 2876.19,3362.8 2894.81,3381.42 2894.81,3463 C104.1@2916.5,3484.68 ; v1(3076,3100) 3075.95,3100.05 3075.95,3104.95 3090.09,3119.09 3133.78,3119.09 C20.1@3181.02,3166.34 C20.1@3228.27,3213.58 ; R3.2@3327.95,3267.72 R3.2@3328.35,3267.72 3328.74,3267.72 3364.71,3231.74 3369.61,3231.74 3379.05,3241.18 3420.25,3241.18 3421.87,3242.81 3467.96,3242.81 3501.77,3209 3746,3209 3850,3313 3914.56,3313 3934.63,3333.07 J21.3@3941.04,3333.07
  Top Layer w19.68: C20.1@3181.02,3166.34 3208,3193.31 3253.55,3193.31 R3.2@3327.95,3267.72
  Routing w5.91: v1(2877,3278) 2877,3095.5 v1(2918.25,3054.25) ; v1@2920,3056 2964,3100 v1(3076,3100)
VSUP: C91.3 C92.1 J20.3 R2.2 | length 1677.2
  Top Layer w10.63: 2624.74,2403.74 v1(2673,2452)
  Top Layer w11.42: C92.1@2508.86,2403.74 2624.74,2403.74
  Top Layer w11.81: C91.3@2367.5,2475.25 2367.95,2474.8 2377.67,2474.8 2420.47,2432 2480.6,2432 C92.1@2508.86,2403.74
  Power w5.91: v1(2673,2452) v1@2673,2455 ; 2690,2472 2690,2473.23
  Power w9.84: v1@2673,2455 2690,2472 ; 2690,2473.23 2763.81,2547.04 2763.81,3099.34 2730.08,3133.07 2730.08,3687.19 2713.19,3704.08 J20.3@2713.19,3715.55
pads on no net: P1.4 P3. P3.7 P3.9 T1.2 T1.6 T3.6 T5.6 T6.6 U1A.2 U1A.5 U1A.6 U1A.8 U1A.9 U1A.10 U1A.11 U1A.44 U1A.45 U1A.58 U1A.59 U1A.62 U3.6 U5.36 U9.3 U10.3 U11.3 U13.2 U13.4 U13.5 U13.6 U13.7 U13.14 U13.16

## Polygon pours and split planes (outlines as drawn)
GND on Top Layer "GND_L01_P031" (solid, remove dead copper, pour order 31): 976,5856 977,5855 4091,5855 4108,5838 4108,1660 969,1660 955,1674
NetC45_3 on Top Layer "NETC45_3_L01_P002" (solid, remove dead copper, pour order 2): 2646.42,3863 2604,3863 2602,3861 2602,3772 2574,3744 2574,3667 2645,3667 2651.54,3660.46
VSUP on Top Layer "VSUP_L01_P015" (solid, remove dead copper, pour order 15): 2361.59,2483.13 2376.87,2483.13 2400,2460 2401,2461 2563,2461 2563,2347 2565,2345 2456,2345 2456,2386.75 2375.37,2467.38 2361.59,2467.38 2359.62,2469.35 2359.62,2481.16 2360.61,2482.14
NetC100_2 on Top Layer "NETC100_2_L01_P022" (solid, remove dead copper, pour order 22): 2097,5651 2094,5654 1765,5654 1761,5658 1761,5765 2105,5765 2111,5759 2109,5757 2109,5653 2094.2,5653 2088.39,5658.82
NetBZ1_1 on Top Layer "NETBZ1_1_L01_P014" (solid, remove dead copper, pour order 14): 2967,5425 3005,5463 3005,5580 3006,5581 3068,5581 3069,5582 3069,5445 3068,5444 3012,5444 2983,5415 2981,5415 2978,5412
NetJ14_3 on Top Layer "NETJ14_3_L01_P013" (solid, remove dead copper, pour order 13): 3495,5410.65 3495,5367.35 3527.92,5367.35 3530,5365.27 3530,5317 3553,5294 3611,5294 3640,5323 3640,5479 3625,5494 3548,5494 3530,5476 3530,5412.73 3527.92,5410.65
NetC97_2 on Top Layer "NETC97_2_L01_P011" (solid, remove dead copper, pour order 11): 2479.87,5154.1 2482,5156.22 2482,5220 2509,5247 2509,5288 2436,5288 2435,5287 2435,5224 2464.13,5194.87 2464.13,5154.1
VBUS on Top Layer "VBUS_L01_P010" (solid, remove dead copper, pour order 10): 2201.1,5256.87 2203.22,5259 2303,5259 2339,5295 2404,5295 2404,5223 2403,5222 2283,5222 2263.87,5241.13 2201.1,5241.13
NetC23_1 on Top Layer "NETC23_1_L01_P009" (solid, remove dead copper, pour order 9): 2008,5320 2008,5212 2205,5015 2326,5015 2327,5014 2328,5015 2328,5125 2226,5125 2224,5123 2147,5123 2031,5239 2031,5322
D_CMC_N on Top Layer "D_CMC_N_L01_P008" (solid, remove dead copper, pour order 8): 1920,5146 1921,5147 1936,5147 1936,5016 1903,5016 1903,5092 1920,5109
D_CMC_P on Top Layer "D_CMC_P_L01_P006" (solid, remove dead copper, pour order 6): 1952,5145 1953,5146 1967,5146 1967,5101 1982.01,5085.99 1982.01,5015 1952.79,5015
D_CON_P on Top Layer "D_CON_P_L01_P005" (solid, remove dead copper, pour order 5): 1929,5620 1944,5620 1944,5435.14 1943.9,5435.04 1941.94,5437 1904,5437 1904,5526 1927,5549 1927,5559
D_CON_N on Top Layer "D_CON_N_L01_P004" (solid, remove dead copper, pour order 4): 1954,5566 1954,5618 1970,5618 1969,5617 1969,5551 1989,5531 1989,5438 1955,5438 1953,5440
VSUP on Top Layer "VSUP_L01_P001" (solid, remove dead copper, pour order 1): 2660,3864 2661,3863 2700,3863 2700,3816.93 2755.32,3761.61 2755.32,3669.49 2753.83,3668 2662,3668
3V3 on Top Layer "NONET_L01_P000" (solid, remove dead copper, shelved, pour order 0): 2078.74,3989.17 2079.72,3990.16 2080.71,3989.17 2080.71,3972.44 2029.53,3972.44 2025.59,3968.5 1974.41,3968.5 1975.2,3969.29 1975.2,3989.17
GND on RF_Ground "NONET_L02_P028" (solid, remove dead copper, shelved, pour order 28): 976,5842 989,5855 4091,5855 4091,1661 4078,1674 955,1674

## Silkscreen, mask and mechanical layers (free items; w line width, h text height)
Top Overlay:
  lines w10: 2285.43,2721.65 2286.5,2722.72 ; 965,1660 4108,1660 4108,5855 965,5855 965,1660
  text "PA_V2" at 1209,5235.66 h40
  text "PA_V1" at 1214,5130.66 h40
  text "ANT_V2" at 1209,4995.66 h40
  text "ANT_V1" at 1199,4880.66 h40
  text "3V3" at 1194,4764 h40
  text "3V3" at 1189,4736 h40 r270
  text "GND" at 3769.12,4661.17 h40
  text "GND" at 1190.02,4604.27 h40 r270
  text "GND" at 3769.12,4561.17 h40
  text "GND" at 3769.12,4471.17 h40
  text "DTR" at 1192.03,4437.66 h30
  text "RTS" at 1192.03,4332.66 h30
  text "RX" at 1197.03,4227.66 h30
  text "Boot" at 1394,4164 h30
  text "TX" at 1202.03,4127.66 h30
  text "ETC_1" at 1189,3903.6 h30
  text "ETC_2" at 1184,3808.6 h30
  text "ETC_3" at 1189,3703.6 h30
  text "GND" at 2457.61,3678.21 h30 r90
  text "VSUP" at 2813.91,3619.16 h30 r90
  text "OAD2" at 1180.14,3599.94 h30
  text "GND" at 3790.42,3512.07 h30
  text "OAD" at 1180.14,3489.94 h30
  text "VPA" at 3795.42,3417.07 h30
  text "EN" at 1180.14,3384.94 h30
  text "VPA" at 3795.42,3312.07 h30
  text "IRQ" at 1180.14,3284.94 h30
  text "PA_LDO_EN" at 3610.42,3192.07 h30
  text "NCS" at 1180.14,3184.94 h30
  text "ADC" at 1180.14,3084.94 h30
  text "GND" at 3785.42,3047.07 h30
  text "GND" at 3785.42,3047.07 h30
  text "UART_LOG_TX" at 1185.14,2954.94 h30
  text "GND" at 3790.42,2937.07 h30
  text "GND" at 3790.42,2837.07 h30
  text "MISO" at 1182.19,2836.28 h30
  text "MOSI" at 1182.19,2731.28 h30
  text "CLK" at 1182.19,2631.28 h30
  text "GND" at 1182.19,2471.28 h30
  text "GND" at 1182.19,2371.28 h30
  text "GND" at 1182.19,2266.28 h30
  text "ANT2" at 3551.95,2031.6 h45
  text "ANT1" at 2946.95,2026.6 h45
  text "50 ohm" at 3556.95,1986.6 h30
  text "50 ohm" at 2946.95,1981.6 h30

## Text inside footprints (layer, text, board x,y; h text height)
P2: Top Overlay "PTH D1.09 +/- 0.08" at 2640,5610 h19.68 r270